# Altium PCB button_PVT_P5_201800706.PcbDoc (continued)
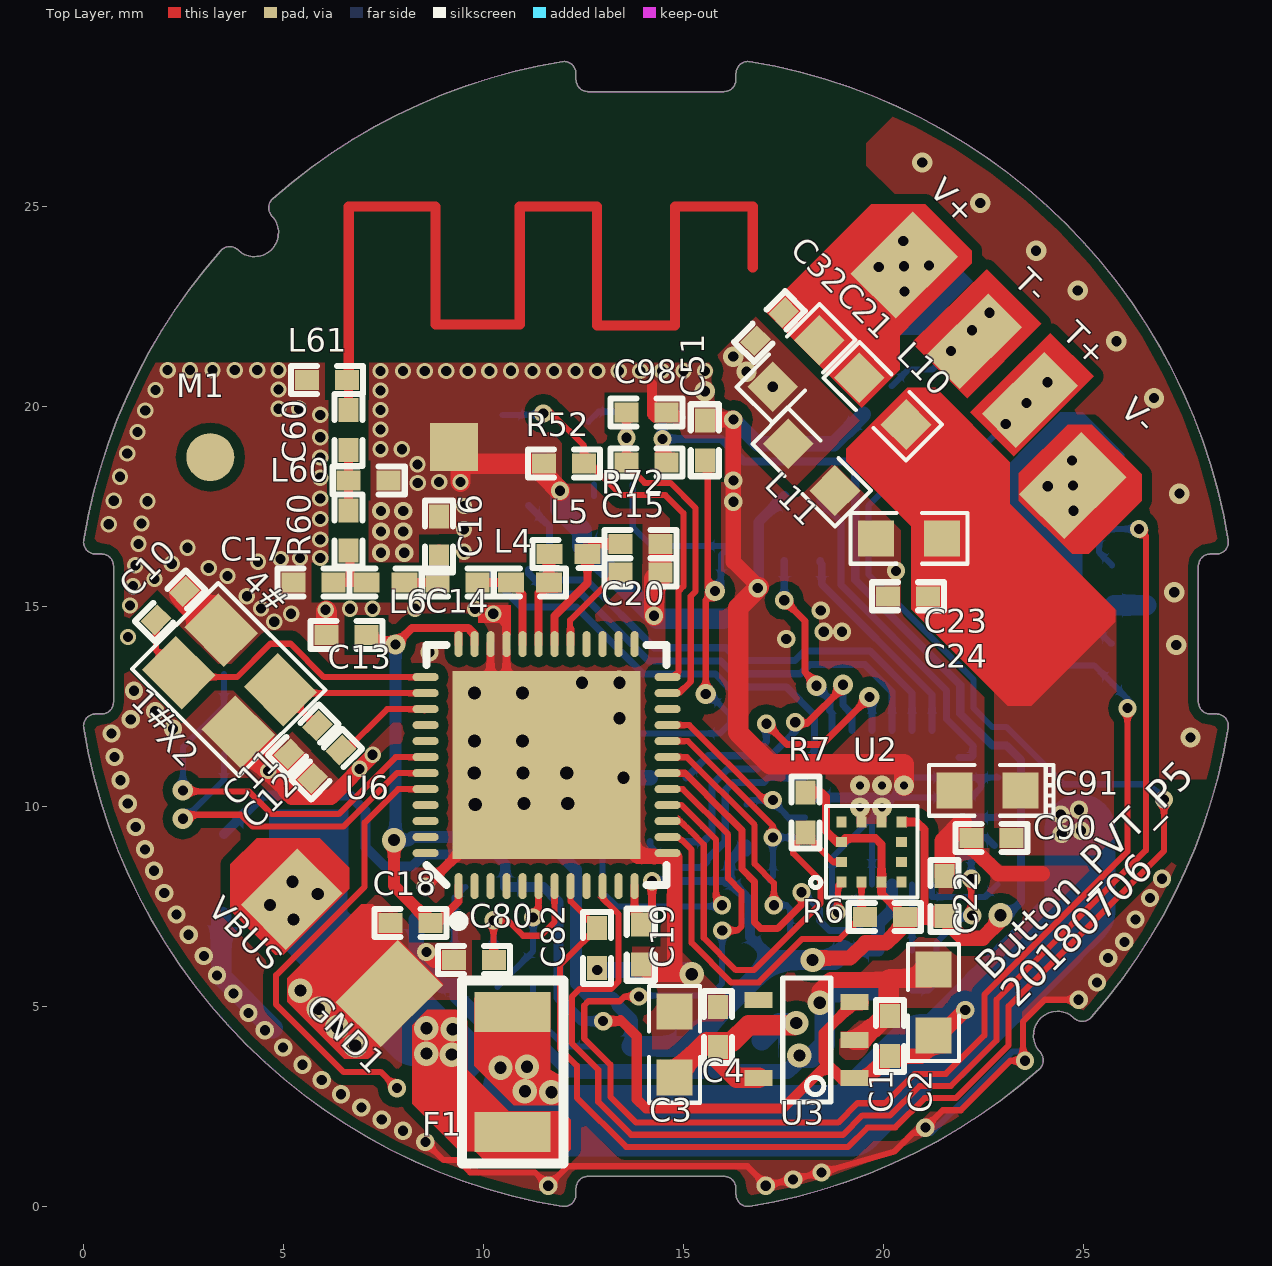
[diagram p0: Top Layer view]
## Part data
C1 C4 C22 C24 C32 C80: library part CAP, "厂家：Murata，型号：GRM155R71A104KA01D"
C2 C3 C21 C23 C90 C91: library part CAP, "厂家：Murata，型号：GRM188R61A106KE69D"
C10 C11: library part C0402-12p, "Capacitor, NP0, ±2%"
C12 C18 C19: library part C0402-100n, "Capacitor, X7R, ±10%"
C13: library part C0402-1n0, "Capacitor, X7R, ±10%"
C14 C60: library part C0402-3.9p, "Capacitor, NP0, ±0.1pF"
C15: library part C0402-2n2, "Capacitor, X7R, ±10%"
C16: library part C0402-1.0p, "Capacitor, NP0, ±0.1pF"
C17: library part C0402-1.5p, "Capacitor, NP0, ±0.1pF"
C20: library part C0402-47n, "Capacitor, X7R, ±10%"
C51 C52 C82 C98: library part CAP, "Capacitor"
C58: library part CAP, "1uF/10V/X7R/10%，0402"
C61 C95: library part CAP, "0.1uF/10V/X7R/10%，0402"
C88 C89: library part CAP, "0.22uF/10V/X7R/10%，0402"
D3 D4: library part ESD_1, "厂家：ROHM，型号：VMNZC6.8CST2RA"
D9: library part "Diode 1N4148", "High Conductance Fast Diode"
F1: library part FUSE2, "厂家：万瑞和，型号：smd1206-200"
L4 L60 L61: library part L0402-4n7, "High frequency chip inductor ±5%"
L5 L8 L10 L11: library part L0402-27n, "High frequency chip inductor ±5%"
L6: library part L0402-3n3, "High frequency chip inductor ±5%"
M1: library part PAD1, "None"
Q3: library part MOSFET, "N-Channel MOSFET"
R6 R7 R8 R16 R17 R30 R31 R32 R33 R52 R59 R60 R72 R73 R74 R75 R86 R87 R89 R91 R92: library part RES1, "厂家：Yageo，型号：RC0402FR-0720RL"
SW1: "厂家：松下，型号：EVQPLMA15"
U1: library part SN3199, "厂家：SI-EN，型号：IS31FL3199-QFLS2-TR"
U2: library part LIS2DE12, "厂家：ST，型号：LIS2DH12"
U3: library part AP3410
U6: library part nRF51x22-QFAC, "Multi-protocol Bluetooth Low Energy, ANT and 2.4GHz proprietary system-on-chip"
X2: library part NX2520SA-16MHZ-STD-CSW-5, "XTAL SMD 2520, 16MHz, 8pF, ±40ppm"

## Free pads (board coordinates)
  rect 1.2x1.2 smd: 2(9.268,18.996)

## Via types
v1: diameter 0.457, hole 0.254, Top Layer to Bottom Layer, tented both sides, 98 vias
v2: diameter 0.406, hole 0.254, Top Layer to Bottom Layer, tented both sides, 81 vias
v3: diameter 0.508, hole 0.254, Top Layer to Bottom Layer, tented both sides, 28 vias
v4: diameter 0.61, hole 0.305, Top Layer to Bottom Layer, tented both sides, 27 vias
v5: diameter 0.66, hole 0.33, Top Layer to Bottom Layer, 10 vias
v6: diameter 0.5, hole 0.2, Top Layer to Bottom Layer, tented both sides, 5 vias

## Nets (pads, with @x,y where several pads share a name; then routed paths per layer and width w, separated by ;. In a path a pad name is that pad's centre, name@x,y a point inside that pad or via, vN(x,y) a via of type N, cw(c..) or ccw(c..) an arc to the next point about the centre after c; other vN are vias at no path point)
+3V3: C3.1 C4.1 L8.2 U3.5 | length 6.2
  Top Layer w0.508: C3.1@14.783,3.315 15.591,4.123 16.222,4.123 16.644,4.544 17.778,4.544 v4(17.831,4.597) ; C4.1@15.9,4.115 15.9,3.666 16.34,3.226 U3.5
  Bottom Layer w0.508: L8.2@16.967,4.166 17.399,4.597 v4(17.831,4.597)
ADC_3V3: C52.2 R89.1 U6.6 | length 3
  Top Layer w0.152: v1(11.249,7.236) 11.386,7.373 U6.6
  Bottom Layer w0.152: C52.2@10.36,5.5 11.252,6.393 R89.1 11.252,7.232 v1(11.249,7.236) v1@11.249,7.159
ADC_5V: C80.1 R75.1 U6.7 | length 4.6
  Top Layer w0.152: C80.1@10.182,6.169 C80.1 10.262,6.183 v1(10.262,7.163) 10.617,7.163 11.001,6.779 11.438,6.779 11.786,7.127 U6.7
  Bottom Layer w0.152: v1(10.262,7.163) 10.262,6.462 R75.1
ADC_TEMP: C82.2 R92.2 U6.8 | length 39.6
  Top Layer w0.152: U6.8 12.186,7.637 C82.2 11.919,6.044 11.919,3.956 12.344,3.531 12.344,2.729 13.575,1.499 19.126,1.499 19.61,1.982 20.301,1.982 20.306,1.987 ; 20.307,1.987 21.038,2.718 21.819,2.718 23.139,4.039 23.139,5.015 27.023,8.898 v1(27.023,10.185)
  Bottom Layer w0.152: R92.2 19.632,17.523 19.632,15.81 22.256,13.186 22.256,12.474 22.735,11.995 23.089,11.995 24.517,10.566 26.642,10.566 v1(27.023,10.185)
AGND: C21.2 C32.2 D9.2 L11.1 Q3.2 R31.1 R32.2 | length 0.8
  Bottom Layer w0.508: R31.1@25.778,15.041 26.582,15.041
  other v3: 27.686,11.735 27.33,14.046 27.28,15.367 27.407,17.831 26.772,20.218 17.239,20.502 16.586,20.879 16.253,21.256 25.832,21.641 24.867,22.911 23.825,23.901 22.428,25.095 20.98,26.111
ANT: C60.2 L61.2 | length 28.5
  Top Layer w0.229: C60.2 L61.2@6.632,20.663
  Top Layer w0.254: L61.2@6.64,20.671 6.64,25.007 8.807,25.007 8.807,22.063 10.916,22.063 10.916,25.007 12.846,25.007 12.846,22.038 14.794,22.038 14.794,25.007 16.74,25.007 16.74,23.481
BLUE_1: D5.3 U1.15 | length 6.9
  Top Layer w0.178: v1(17.081,12.078) 17.598,11.561 18.47,11.561 v3(19.656,12.747)
  Bottom Layer w0.178: D5.3 15.627,11.278 16.729,11.278 17.081,11.63 v1(17.081,12.078) ; U1.15 v3@19.724,12.739
BLUE_2: D6.3 U1.17 | length 13.3
  Bottom Layer w0.178: D6.3 11.656,17.019 11.656,15.903 11.887,15.672 12.586,15.672 14.278,13.979 16.074,13.979 16.397,13.657 17.799,13.657 18.036,13.893 19.677,13.893 20.724,12.846 U1.17
BLUE_3: D7.3 U1.19 | length 8.4
  Bottom Layer w0.178: D7.3 18.43,17.638 18.948,17.12 18.948,16.056 18.944,16.052 18.944,15.553 21.588,12.909 21.588,12.194 22.25,11.532 22.25,11.278 22.207,11.234 U1.19
DEBUG_RX: RX.1 U6.43 | length 8.6
  Top Layer w0.152: v3@2.697,9.803 3.942,9.803 4.231,9.514 6.514,9.514 7.844,10.845 U6.43
  Bottom Layer w0.152: v3(2.494,9.702) 2.522,9.674 3.522,10.674 RX.1
DEBUG_TX: TX.1 U6.42 | length 10.2
  Top Layer w0.152: v3@2.545,10.388 4.145,10.388 4.714,9.819 5.628,9.819 5.629,9.821 6.071,9.821 6.073,9.819 6.074,9.821 6.389,9.821 7.813,11.245 U6.42
  Bottom Layer w0.152: v3(2.494,10.413) 2.494,11.486 3.522,12.514 TX.1
G_SCL: R7.2 U2.12 U6.15 | length 10.8
  Top Layer w0.152: U6.15 14.932,9.645 15.187,9.389 ; 15.187,9.388 15.516,9.059 15.516,6.723 16.321,5.919 16.769,5.919 18.437,7.587 18.437,8.15 17.751,8.836 17.751,9.001 R7.2@18.06,9.31 ; R7.2 R7.2@18.06,9.31 ; U2.12 18.747,8.623 R7.2@18.06,9.31
G_SDA: R6.2 U2.2 U6.14 | length 9.3
  Top Layer w0.152: U6.14 14.629,9.227 14.883,9.227 14.89,9.234 14.95,9.173 14.972,9.173 15.211,8.934 15.211,6.598 16.195,5.614 16.892,5.614 17.979,6.702 18.919,6.702 19.461,7.244 U2.2
GND: C1.2 C2.2 C3.2 C4.2 C10.2 C11.2 C12.1 C13.2 C15.2 C16.2 C17.2 C18.2 C19.2 C20.2 C22.2 C23.2 C24.2 C51.1 C52.1 C58.2 C80.2 C82.1 C89.1 C90.2 C91.2 C95.2 C98.1 D3.2 D4.2 D5.4 D6.4 D7.4 GND0.1 GND1.1 GND.1 L11.2 L60.1 L61.1 pad.2 R52.2 R59.1 R74.1 R87.1 SW1. SW1.3 SW1.4 U1.4 U1.6 U1.10 U1.20 U1.21 U1.25 U2.1 U2.8 U2.9 U3.2 U6.13 U6.33 U6.34 U6.49 X2.2 X2.4 | length 131
  Top Layer w0.152: v1(8.556,1.622) 9.01,1.168 9.366,1.168 9.674,0.86 11.3,0.86 v1(11.63,0.53) 12.114,1.015 16.606,1.015 v1@17.065,0.555 ; v1(17.065,0.53) 17.749,0.692 v1(18.462,0.86) 20.284,1.381 20.754,1.851 v1@21.028,1.851 ; v2(18.869,7.363) 18.869,8.031 U2.1 ; v1(21.057,1.981) 21.491,2.416 21.944,2.416 ; 22.159,2.631 21.944,2.416 ; v1(23.546,3.654) 23.182,3.654 21.944,2.416 ; v1@23.546,3.68 23.495,3.73 23.495,4.629 24.045,5.178 v1(24.889,5.178)
  Top Layer w0.203: U6.49@10.185,12.508 U6.34 ; U6.49@10.585,12.108 U6.33@10.585,13.894 ; U6.49@11.554,11.077 U6.49 13.786,8.845 U6.13
  Top Layer w0.254: v1(8.56,8.001) 11.586,11.027 U6.49 ; U6.49@10.792,10.315 U6.49@11.554,11.077 ; 14.224,20.574 14.224,19.806 14.294,19.736 14.935,19.736
  Top Layer w0.381: 5.033,10.714 5.033,10.423 5.218,10.238 5.454,10.238 5.456,10.24 6.197,10.24 v2@7.25,11.292 ; v1(8.582,6.372) 8.785,6.169 C80.2 ; U6.49@13.786,8.845 13.87,8.76 14.771,8.76 14.792,8.739 14.792,5.877 ; C19.2 13.95,6.054 14.187,5.817 v4(15.215,5.817) ; C51.1 15.557,19.682 v1(16.256,19.682) 16.256,16.129 v1@16.891,15.494 ; C90.2 22.208,8.948 22.262,8.948 22.878,8.331 23.978,8.331
  Top Layer w0.4: v4(18.415,5.105) 18.415,5.4 18.693,5.678 19.787,5.678 19.789,5.676 20.142,5.676 21.157,5.676 21.227,5.745 20.168,5.745
  Top Layer w0.508: C11.2 5.152,11.298 C12.1 ; C13.2 v2@6.082,14.911 ; 7.066,6.247 7.69,6.871 C18.2 ; v2(9.434,18.125) 9.434,18.582 R52.2 11.525,18.3 v1(11.922,17.904) ; v1(14.271,14.779) 14.271,15.706 C20.2 14.43,16.564 C15.2 ; v1@16.891,15.494 v1(16.866,15.469) 16.38,14.983 16.38,11.858 17.172,11.066 20.521,11.066 v6(20.521,10.531) ; U3.2 19.486,4.176 19.486,4.235 19.724,4.473 19.763,4.473 20.047,4.758 20.047,4.767 20.142,4.767 20.142,5.676 ; C22.2@21.54,8.276 21.54,9.144 21.98,9.585
  Top Layer w0.762: C10.2 2.531,15.336 X2.4 ; X2.2@3.76,11.871 X2.2 5.033,10.714 5.152,10.714
  Bottom Layer w0.152: v2(18.869,7.363) 18.728,7.503 18.728,8.055 U1.6 18.724,8.734 U1.25@19.724,9.734 ; U1.4 U1.25@19.724,9.734 ; v1@21.028,1.851 21.202,1.851 23.234,3.883 23.39,3.883 ; U1.21@21.899,10.287 U1.21 ; C89.1@22.831,10.758 C89.1@22.807,10.734 ; C89.1@22.883,10.734 C89.1@22.807,10.734 ; U1.25@19.724,9.734 v6(19.974,9.984) 20.155,10.165 U1.25@20.224,10.234 ; U1.25@20.224,10.234 20.724,10.734 22.45,10.734 ; U1.25@20.224,10.234 U1.21 ; U1.21 22.198,10.234 22.45,10.487 22.45,10.734 ; 22.45,10.734 C89.1@22.807,10.734
  Bottom Layer w0.254: 16.002,14.703 16.1,14.703 v1(16.866,15.469) 16.891,15.494 16.891,17.125 D7.4 ; U1.10 20.087,10.234 U1.25@20.155,10.165
  Bottom Layer w0.3: R87.1 10.241,4.237 10.372,4.106 10.378,4.112 11.407,4.112 12.133,3.386 12.427,3.386
  Bottom Layer w0.381: R74.1@8.328,7.185 8.328,6.156 8.95,5.534 9.377,5.534 C52.1@9.377,5.329 ; C52.1 9.352,5.255 9.937,4.67 R87.1 ; 12.427,3.386 17.61,3.386 17.954,3.73 v4@18.009,3.785 ; v4(13.513,10.728) D5.4 ; v1(16.256,19.682) 16.857,19.08 18.775,19.08 R59.1
  Bottom Layer w0.4: v1(12.852,5.918) 15.113,5.918 v4(15.215,5.817)
  Bottom Layer w0.508: GND.1@3.451,7.251 3.451,5.762 v1@4.746,4.467 ; v1(11.922,17.904) 11.922,17.453 12.472,16.903 SW1.4 12.529,16.522 v1(14.271,14.779) 14.348,14.703 16.002,14.703 ; v4@17.891,3.73 17.954,3.73 18.208,3.73 18.542,4.064 18.542,5.364 C95.2 ; C95.2@19.021,5.415 C58.2
  other v1: 17.751,0.682 7.998,1.902 7.464,2.181 6.956,2.486 6.448,2.816 5.966,3.172 5.483,3.553 5,3.984 4.543,4.416 4.137,4.848 3.756,5.331 25.346,5.61 3.349,5.788 25.625,6.22 3.019,6.27 26.032,6.626 2.638,6.804 26.311,7.185 2.333,7.312 26.67,7.722 2.029,7.845 26.975,8.204 1.775,8.404 1.546,8.937 1.317,9.496 1.114,10.08 0.936,10.665 0.784,11.249 0.708,11.833 2.246,11.953 1.19,12.189 1.8,12.392 1.27,12.903 8.658,13.865 17.577,14.199 18.517,14.376 18.974,14.376 18.44,14.91 20.32,15.9 7.445,16.353 8.029,16.353 7.445,16.886 8.004,16.886 7.445,17.394 8.004,17.394 16.256,17.628 16.256,18.161
  other v2: 4.628,10.896 6.909,10.951 7.239,11.303 1.122,14.248 4.78,14.629 5.2,14.827 10.255,14.827 6.064,14.928 4.45,14.96 6.674,14.954 7.232,14.954 8.299,14.954 9.798,14.954 1.173,15.036 4.094,15.264 1.249,15.518 1.783,15.696 3.612,15.772 3.143,15.97 1.306,16.042 2.215,16.077 4.374,16.128 4.938,16.194 5.421,16.22 5.929,16.22 9.522,16.38 2.61,16.478 1.382,16.575 5.929,16.683 9.522,16.938 0.64,17.068 1.459,17.083 5.929,17.195 9.522,17.523 0.767,17.652 1.611,17.642 5.929,17.707 8.367,18.099 8.901,18.125 5.929,18.226 0.925,18.252 8.36,18.563 5.929,18.734 1.103,18.836 7.436,18.944 7.969,18.941 5.929,19.242 1.357,19.369 7.436,19.432 5.929,19.801 1.554,19.913 7.436,19.921 4.888,19.954 5.396,19.954 1.808,20.421 7.436,20.409 4.888,20.436 7.436,20.897 8,20.897 8.539,20.897 9.078,20.897 9.617,20.897 10.156,20.897 10.698,20.903 11.234,20.897 11.773,20.897 12.312,20.897 12.851,20.897 13.391,20.897 13.93,20.897 14.469,20.897 15.008,20.897 15.547,20.897 2.113,20.919 2.673,20.919 3.233,20.919 3.793,20.919 4.353,20.919 4.888,20.919
  other v3: 15.541,20.393
  other v4: 17.907,3.785 6.804,4.035 6.347,4.492 5.889,4.95 5.432,5.407 13.408,12.214 12.472,13.103 13.408,13.103
  other v5: 9.804,10.058 11.024,10.084 12.116,10.084 9.779,10.846 10.998,10.846 12.09,10.846 9.786,11.645 10.986,11.645 9.786,12.845 10.986,12.845
  other v6: 19.424,9.984 19.428,10.538 19.974,10.534
GREEN_1: D5.1 U1.14 | length 7.7
  Top Layer w0.178: v1@17.805,12.09 18.099,12.09 18.996,12.987 v3(18.996,13.052)
  Bottom Layer w0.178: D5.1 15.503,9.128 15.723,9.348 15.723,10.552 16.114,10.944 16.862,10.944 17.805,11.887 v1(17.805,12.116) ; v3(18.996,13.052) 18.996,12.544 19.224,12.316 U1.14
GREEN_2: D6.1 U1.16 | length 11.6
  Bottom Layer w0.178: D6.1 11.14,15.835 11.65,15.325 11.786,15.325 12.465,15.325 14.141,13.649 15.941,13.649 16.261,13.329 17.938,13.329 18.172,13.564 19.54,13.564 20.224,12.879 U1.16
GREEN_3: D7.1 U1.18 | length 5.4
  Bottom Layer w0.178: D7.1 18.43,16.111 18.466,16.075 18.466,15.568 21.224,12.809 U1.18
KEY_DET: C51.2 SW1.1 SW1.2 U6.16 | length 25
  Top Layer w0.152: U6.16 14.963,10.045 15.492,9.516 15.492,9.514 15.821,9.185 15.821,7.693 v1(15.973,7.54) ; C51.2 15.617,18.59 15.617,15.577 v3(15.795,15.398) 15.567,15.17 v3(15.567,12.824)
  Bottom Layer w0.152: 13.741,18.059 13.741,16.993 14.212,16.522 SW1.1 15.948,16.298 v3@15.948,15.398 ; v3(15.567,12.824) 15.65,12.824 16.172,12.301 SW1.2 ; v1@15.944,7.511 13.342,7.511 12.982,7.871 12.982,10.951 13.867,11.836 15.926,11.836 SW1.2@16.151,12.062
LED_EN: U1.5 U6.18 | length 9.5
  Top Layer w0.178: U6.18 15.044,10.845 16.113,9.775 ; 16.117,9.772 16.116,9.772 16.469,9.418 16.469,8.446 16.786,8.129 16.786,7.115 16.942,6.96 17.364,6.96 17.969,7.564 v1@17.969,7.875
  Bottom Layer w0.178: v1@17.969,7.875 18.411,7.433 18.411,7.16 18.661,6.91 19.226,6.91 19.231,6.905 19.3,6.905 19.428,7.032 19.428,7.465 19.358,7.534 19.358,7.559 U1.5@19.224,7.693
  other v1: 17.959,7.866
LED_SCL: R17.2 U1.9 U6.21 | length 5.1
  Top Layer w0.152: U6.21 15.154,12.045 17.026,10.173 v1(17.243,10.173)
  Bottom Layer w0.152: R17.2 16.7,10.173 v1(17.243,10.173) 17.243,10.131 17.64,9.734 U1.9
LED_SDA: R16.2 U1.8 U6.20 | length 5.7
  Top Layer w0.152: U6.20 15.123,11.645 17.243,9.525 v1(17.243,9.234)
  Bottom Layer w0.152: R16.2 17.243,8.26 v1(17.243,9.234) U1.8
LOADA_DET: R30.1 R31.2 U6.10 | length 34.5
  Top Layer w0.152: U6.10 12.986,7.715 13.386,7.315 13.386,5.638 13.194,5.445 12.405,5.445 12.223,5.264 12.223,4.082 12.877,3.428 12.877,2.626 13.701,1.803 19,1.803 19.484,2.286 20.175,2.286 20.911,3.022 21.693,3.022 22.835,4.165 22.835,5.181 26.568,8.914 26.568,16.773 v1(26.395,16.946)
  Bottom Layer w0.152: R31.2 25.397,16.372 R30.1 v1(26.395,16.946)
NetC10_1: C10.1 U6.37 X2.1 | length 8.2
  Top Layer w0.152: C10.1 1.824,13.922 X2.1 ; X2.1@2.582,13.244 3.847,13.244 4.682,14.079 5.186,14.079 6.021,13.244 U6.37@8.56,13.244
NetC11_1: C11.1 U6.38 X2.3 | length 4.8
  Top Layer w0.152: X2.3 X2.3@5.023,12.844 ; C11.1 5.837,12.031 X2.3@5.023,12.844 ; C11.1@5.886,11.982 C11.1@5.894,11.982 ; U6.38@8.56,12.844 X2.3@5.023,12.844
NetC12_2: C12.2 U6.39 | length 2.6
  Top Layer w0.152: C12.2@6.503,11.347 7.601,12.444 8.56,12.444 U6.39@8.532,12.416
NetC14_1: C14.1 L4.2 U6.32 | length 2.5
  Top Layer w0.203: L4.2 10.985,15.316 U6.32
  Top Layer w0.229: C14.1@9.841,15.607 C14.1 L4.2
NetC14_2: C14.2 C16.1 L6.1 | length 1.7
  Top Layer w0.229: L6.1 C14.2 8.895,15.607 C16.1 C16.1@8.895,16.442
NetC15_1: C15.1 L5.1 U6.30 | length 3.5
  Top Layer w0.203: U6.30 11.785,14.77 12.61,15.594 L5.1 12.864,16.572 C15.1
NetC17_1: C17.1 L6.2 R60.1 | length 1.7
  Top Layer w0.229: C17.1 6.673,15.607 ; R60.1 6.673,16.371 6.673,15.607 ; L6.2 6.673,15.607
NetC20_1: C20.1 U6.29 | length 2.9
  Top Layer w0.152: U6.29@12.176,14.06 12.176,14.665 13.245,15.734 C20.1@13.478,15.734
  Top Layer w0.203: U6.29 12.185,14.442 ; C20.1@13.478,15.734 C20.1@13.616,15.734
NetC60_1: C60.1 L60.2 R60.2 | length 1.5
  Top Layer w0.229: R60.2 C60.1
NetC61_1: C61.1 U1.1 | length 2.1
  Bottom Layer w0.152: U1.1 21.224,7.744 22.544,7.744 C61.1
NetC61_2: C61.2 U1.23 | length 1
  Bottom Layer w0.178: U1.23 22.577,9.234 C61.2@22.781,9.031
NetC88_1: C88.1 U1.2 | length 1.6
  Bottom Layer w0.152: C88.1 U1.2
NetC88_2: C88.2 U1.24 | length 4.6
  Top Layer w0.152: v1@22.204,7.286 v1(22.204,8.201)
  Bottom Layer w0.152: C88.2 21.137,5.415 21.333,5.61 21.333,6.601 22.018,7.286 v1(22.23,7.286) ; U1.24 22.171,8.734 22.204,8.701 v1(22.204,8.201)
NetC89_2: C89.2 U1.22 | length 1
  Bottom Layer w0.178: U1.22 C89.2@22.807,9.734 ; C89.2@22.831,9.758 C89.2@22.807,9.734 ; C89.2@22.883,9.734 C89.2@22.807,9.734
NetL4_1: L4.1 L5.2 U6.31 | length 2.4
  Top Layer w0.203: U6.31 11.385,15.348 L4.1 11.644,16.303 L5.2
NetQ3_1: Q3.1 R33.1 | length 1.6
  Bottom Layer w0.152: Q3.1 25.124,14.652 25.691,14.086 R33.1
NetQ3_3: Q3.3 R30.2 V-.1
  other v1: 24.762,17.404 24.116,18.015 24.744,18.033 24.727,18.662
NetR8_2: R8.2 U6.19 | length 6.1
  Top Layer w0.152: U6.19 15.092,11.245 16.786,9.551 16.786,8.577 17.269,8.095 v1(17.269,7.54)
  Bottom Layer w0.152: v1(17.269,7.54) 17.58,7.54 17.67,7.45 R8.2
NetR59_2: R59.2 T-.1 | length 3.8
  Top Layer w0.152: T-.1@21.813,21.51 v3(22.221,21.918)
  Bottom Layer w0.152: R59.2 20.625,20.93 21.233,20.93 v3(21.698,21.395) v3(22.221,21.918) v3(22.657,22.354)
NetR73_1: R73.1 R74.2 R75.2 | length 1.8
  Bottom Layer w0.152: R75.2@9.285,6.347 R74.2 9.285,7.728 R73.1
NetR86_1: R86.1 R87.2 R89.2 | length 2.6
  Bottom Layer w0.152: R89.2 11.252,4.682 R87.2 11.384,4.67 12.041,4.013 R86.1
NetTP4_1: TP4.1 U6.44 | length 11.2
  Top Layer w0.152: v1(7.845,2.968) 7.439,3.375 6.506,3.375 4.826,5.055 4.826,5.791 7.036,8.001 7.036,9.605 7.875,10.445 U6.44
NTC_A: D3.1 R91.2 R92.1 T+.1 | length 6
  Top Layer w0.152: T+.1@23.183,19.686 T+.1 T+.1@23.995,20.499
  Bottom Layer w0.152: R91.2 20.851,19.912 R92.1 21.717,19.046 21.717,18.798 D3.1 ; D3.1@22.005,18.51 v3(23.065,19.57) v3(23.588,20.093) v3(24.111,20.616)
PWM: R32.1 R33.2 U6.17 | length 35.2
  Top Layer w0.152: v1(13.894,5.258) 13.531,5.258 13.414,5.141 12.634,5.141 12.528,5.035 12.528,4.208 13.182,3.554 13.182,2.752 13.827,2.107 18.874,2.107 19.357,2.591 20.049,2.591 20.785,3.327 21.566,3.327 22.531,4.291 22.531,5.307 26.108,8.884 v1(26.108,12.468) ; U6.17 14.994,10.445 16.126,9.313 16.126,8.212 16.456,7.882 16.456,7.007 16.358,6.909 v1(15.977,6.909)
  Bottom Layer w0.152: v1@13.894,5.283 15.676,5.283 15.977,5.584 v1(15.977,6.909) ; R32.1 25.274,13.538 R33.2 26.108,12.705 v1(26.108,12.468) 26.133,12.443 v1@26.184,12.443
PWR_ON: U6.22
RED_1: D5.2 U1.11 | length 5.9
  Bottom Layer w0.178: D5.2 14.177,9.012 14.702,8.487 15.402,8.487 15.452,8.487 15.593,8.628 15.593,8.678 16.053,9.138 16.053,10.416 16.251,10.614 17.018,10.614 17.139,10.734 U1.11
RED_2: D6.2 U1.12 | length 11
  Bottom Layer w0.178: D6.2 10.24,15.71 10.955,14.995 12.329,14.995 14.005,13.319 15.808,13.319 16.126,13.001 17.581,13.001 18.285,12.298 18.285,11.249 18.27,11.234 U1.12
RED_3: D7.2 U1.13 | length 4.8
  Top Layer w0.178: v1(17.53,15.164) 18.044,14.65 18.044,13.369 v3@18.361,13.052
  Bottom Layer w0.178: v1(17.53,15.164) D7.2 ; v3@18.335,13.052 v3(18.335,13.027) 18.501,12.861 18.501,12.847 18.666,12.682 18.666,12.408 18.724,12.349 U1.13
SWCLK: R52.1 SWCLK.1 U6.24 | length 10.2
  Top Layer w0.152: v1(11.503,19.834) 11.717,19.834 12.525,19.026 R52.1 12.664,18.582 13.451,17.795 14.558,17.795 15.008,17.345 15.008,15.516 14.886,15.394 14.886,13.367 14.763,13.245 U6.24
  Bottom Layer w0.152: SWCLK.1@10.482,19.801 11.47,19.801 v1(11.503,19.834)
SWDIO: C98.2 R72.1 SWDIO.1 U6.23 | length 10.3
  Top Layer w0.152: C98.2@13.426,19.877 13.582,19.721 v1(13.582,19.228) R72.1 ; R72.1@13.518,18.672 R72.1 ; U6.23 14.901,12.845 15.16,13.105 15.19,13.135 15.19,15.267 15.312,15.389 15.312,17.471 14.684,18.099 14.035,18.099 13.582,18.552 R72.1
  Bottom Layer w0.152: SWDIO.1@12.635,19.623 12.889,19.877 13.39,19.877 13.582,19.685 v1(13.582,19.228)
VBUS: +5V.1 C1.1 C2.1 C23.1 C24.1 C90.1 C91.1 F1.1 L10.2 R73.2 U3.1 U3.3 | length 49.4
  Top Layer w0.152: F1.1@10.316,4.799 11.122,4.799 F1.1@11.249,4.926
  Top Layer w0.254: v1(13,4.644) 13.407,4.644 13.437,4.674 13.843,4.267 13.843,2.692 14.073,2.463 17.499,2.463 18.605,3.569 ; U3.1@19.291,3.2 18.974,3.2 18.605,3.569 ; U3.3@19.291,5.1 19.151,5.1 19.151,4.981 18.517,4.346 18.517,3.658 18.605,3.569 ; v1@24.855,9.888 v1(24.898,9.93) v1@24.971,10.004
  Top Layer w0.381: U3.1 19.601,3.226 20.142,3.767 C1.1 20.95,3.767 C2.1@21.311,4.127 ; U3.3@19.291,5.1 U3.3@19.451,5.1 ; C2.1@21.158,4.28 C2.1@21.285,4.153 ; C2.1@21.26,4.127 C2.1@21.285,4.153 ; C2.1@21.458,4.127 C2.1@21.311,4.127 ; v1(22.052,4.92) C2.1@21.285,4.153 ; C2.1@21.285,4.153 C2.1@21.311,4.127
  Bottom Layer w0.254: +5V.1 4.487,10.287 6.668,10.287 7.049,9.906 7.061,9.906 7.061,8.992 7.544,8.509 8.225,8.509 8.527,8.811 10.315,8.811 10.555,8.571 R73.2 11.51,7.998 11.888,7.62 11.888,5.232 12.476,4.644 v1(13,4.644) ; v1@24.83,9.862 v1(24.898,9.93)
  Bottom Layer w1.778: v4@10.871,2.921 11.638,2.154 19.198,2.154 20.98,3.937 21.466,3.937 22.784,5.255 ; 22.758,5.255 22.784,5.255 ; v1@24.923,9.431 24.923,7.394 24.282,6.753 24.282,6.732 23.494,5.944 23.473,5.944 22.784,5.255
  other v1: 24.466,9.326 24.949,9.403 24.441,9.809
  other v4: 11.706,2.867 11.046,2.892 10.436,3.476 11.096,3.502
VBUS_IN: D4.1 F1.2 VBUS.1 | length 6.3
  Bottom Layer w0.762: 5.788,8.567 D4.1@5.788,9.267
  Bottom Layer w1.778: D4.1@5.715,8.941 5.715,7.027 v4@8.34,4.403
  other v4: 9.217,3.807 8.582,3.832 9.242,4.442 8.582,4.467 5.258,7.188 4.674,7.544 5.867,7.823 5.232,8.128
VCC_MCU: C13.1 C18.1 C19.1 C22.1 C58.1 C95.1 L8.1 R6.1 R7.1 R8.1 R16.1 R17.1 R72.2 R86.2 R91.1 U1.3 U2.3 U2.7 U2.11 U6.1 U6.12 U6.35 U6.36 VCC.1 | length 75.2
  Top Layer w0.203: C13.1 7.215,14.162 7.707,14.162 v3(7.809,14.061) 8.221,14.473 9.63,14.473 9.785,14.318 U6.35 ; C18.1@8.778,7.025 9.386,7.633 U6.1 ; U6.36 9.385,14.464 ; U6.12 13.786,7.315 13.941,7.159 C19.1 ; C19.1@13.912,7.083 C19.1 ; v1(14.221,8.144) 14.221,7.333 C19.1 ; R7.1 18.462,10.36 18.568,10.254 18.568,9.394 18.839,9.123 U2.11 19.055,9.217 19.809,9.217 19.961,9.064 U2.3 19.961,7.836 20.521,7.276 R6.1@20.545,7.251 ; U2.7 20.841,9.623 21.032,9.432 21.032,7.367 R6.1@20.632,7.272 ; R6.1@20.545,7.251 20.636,7.276 R6.1@20.632,7.272 ; R6.1@20.545,7.251 R6.1@20.632,7.272 ; R6.1@20.545,7.251 20.553,7.244 20.578,7.218 20.604,7.244 R6.1@20.632,7.272
  Top Layer w0.305: v4(7.772,9.169) 7.671,9.169 7.772,9.068 7.772,8.03 C18.1@8.778,7.025 ; v1(14.482,19.199) 14.482,18.708 R72.2
  Top Layer w0.381: v4(18.237,6.171) 18.287,6.22 19.174,6.22 19.555,6.601 20.074,6.601 20.545,7.071 R6.1@20.545,7.244 ; R6.1@20.497,7.276 20.521,7.276 R6.1@20.545,7.276 ; R6.1 R6.1@20.545,7.244 ; R6.1@20.636,7.276 R6.1@20.545,7.276 ; v4(22.936,7.29) 22.936,7.163 22.489,6.715 21.993,6.715 21.536,7.173 C22.1 21.504,7.244 20.604,7.244 20.553,7.244 R6.1@20.545,7.244 ; R6.1@20.545,7.244 20.545,7.251 R6.1@20.545,7.276
  Bottom Layer w0.203: v1(14.221,8.144) 16.094,8.144 16.129,8.179 16.159,8.209 R16.1@16.176,8.226 ; v1(14.482,19.199) 15.955,19.199 16.517,18.636 19.551,18.636 R91.1 ; VCC.1 14.482,19.179 v1@14.525,19.136 ; 19.304,18.611 19.304,15.675 21.929,13.05 21.929,12.338 22.735,11.532 23.089,11.532 23.444,11.176 23.444,7.62 v4@23.177,7.353
  Bottom Layer w0.254: L8.1@15.265,4.191 L8.1 ; R16.1@16.069,8.118 R16.1@16.094,8.144 ; R16.1@16.129,8.179 16.67,7.637 R8.1 16.67,6.746 17.245,6.171 ; R16.1 16.159,8.209 R16.1@16.159,8.244 ; R16.1@16.184,8.226 16.176,8.226 R16.1@16.159,8.244 ; R17.1@16.583,8.887 R17.1 16.159,8.631 R16.1@16.159,8.244
  Bottom Layer w0.305: v3(7.809,14.061) 7.809,9.206 v4(7.772,9.169) 8.153,9.169 8.229,9.245 11.507,9.245 12.319,8.433 12.319,5.588 12.675,5.232 13.225,5.232 13.361,5.097 13.361,5.037 13.708,4.69 R86.2
  Bottom Layer w0.308: C95.1@19.021,6.415 19.853,6.415 19.869,6.431 C58.1 19.885,7.083 20.224,7.423 U1.3
  Bottom Layer w0.508: R86.2 15.088,4.013 15.265,4.191 17.245,6.171 v4(18.237,6.171) 18.777,6.171 C95.1@19.021,6.415
VLOAD: C21.1 C32.1 D9.1 L10.1 V+.1
  other v1: 20.538,22.888 19.891,23.499 20.52,23.517 21.148,23.535 20.502,24.146
pads on no net: M1.4 M1.5 U1.7 U2.4 U2.5 U2.6 U2.10 U3.4 U6.2 U6.3 U6.4 U6.5 U6.9 U6.11 U6.25 U6.26 U6.27 U6.28 U6.40 U6.41 U6.45 U6.46 U6.47 U6.48
copper on no net: | length 0.3
  Bottom Layer w0.152: 12.773,17.777 12.773,18.056

## Polygon pours and split planes (outlines as drawn)
VBUS on Top Layer "Bottom Layer-No Net" (solid, remove dead copper, pour order 8): 22.784,14.91 25.828,14.91 25.828,12.036 25.828,9.268 25.524,8.963 25.346,8.785 24.076,8.785 22.784,8.785
AGND on Top Layer "Bottom Layer-No Net" (solid, remove dead copper, pour order 0): 15.176,20.612 17.792,17.997 19.43,19.635 16.815,22.25
AGND on Top Layer "Bottom Layer-No Net" (solid, remove dead copper, pour order 20): 26.583,10.69 28.956,10.69 29.13,12.824 29.13,14.297 29.13,22.399 23.822,27.708 20.698,27.708 19.58,26.59 19.58,26.032 22.298,23.314 23.923,21.688 23.923,18.335 26.235,16.024 26.235,12.824
GND on Top Layer "Bottom Layer-No Net" (solid, remove dead copper, pour order 26): 15.646,21.107 0.305,21.107 -0.914,19.888 -0.914,6.35 5.664,-0.229 23.343,-0.229 29.007,5.436 29.718,6.147 29.718,22.733 25.629,26.822 21.387,26.822
AGND on Bottom Layer "Bottom Layer-No Net" (solid, remove dead copper, pour order 6): 26.583,10.69 28.956,10.69 29.13,12.824 29.13,14.297 29.13,22.399 23.822,27.708 20.698,27.708 19.58,26.59 19.58,26.032 22.298,23.314 23.923,21.688 23.923,18.335 26.235,16.024 26.235,12.824
AGND on Bottom Layer "Bottom Layer-No Net" (solid, remove dead copper, pour order 4): 17.418,19.406 15.986,20.837 15.986,21.421 18.132,23.568 18.132,25.143 19.58,26.59 21.587,26.59 22.247,25.93 22.45,25.727 22.45,25.168 21.587,24.304 21.434,24.304 19.047,21.917 19.047,21.307 19.047,20.507 17.945,19.406
AGND on Bottom Layer "Bottom Layer-No Net" (solid, remove dead copper, pour order 2): 23.514,15.443 21.996,15.443 21.819,15.265 21.819,12.338 23.212,10.944 23.466,10.69 27.276,10.69 27.276,12.9 24.228,12.9 24,13.128 24,13.687 24,14.957
GND on Bottom Layer "Bottom Layer-No Net" (solid, remove dead copper, pour order 24): 15.646,21.107 0.305,21.107 -0.914,19.888 -0.914,6.35 5.664,-0.229 23.343,-0.229 29.007,5.436 29.718,6.147 29.718,22.733 25.629,26.822 21.387,26.822

## Keep-outs
Keep-Out Layer:
  the board outline again, w0.013

## Other copper
Top Layer:
  region net VLOAD: 17.043,22.403 19.037,20.409 22.222,23.593 22.222,23.898 21.053,25.066 19.707,25.066
  region net GND: 6.956,7.566 5.105,5.715 5.105,5.131 6.531,3.705 7.134,3.705 9.001,5.572 7.667,6.905 7.667,7.134 7.236,7.566
  region net GND: 9.877,15.039 10.687,15.039 10.687,14.293 10.661,14.268 10.636,14.293 10.484,14.293 10.484,14.522 10.407,14.598 9.877,14.598
  region net VBUS: 9.903,5.356 11.681,5.356 11.681,3.434 12.116,3.178 12.116,2.692 11.963,2.54 10.77,2.54 9.779,3.531 9.779,5.232
  region net VBUS_IN: 11.982,2.388 12.189,2.181 12.189,1.444 11.884,1.14 10.055,1.14 9.798,1.397 9.417,1.397 8.23,2.584 8.23,4.547 8.607,4.924 9.325,4.924 9.601,4.648 9.601,3.422 10.636,2.388
  region net VBUS: 19.075,18.644 20.701,17.018 20.701,14.935 23.114,12.522 23.698,12.522 25.806,14.63 25.806,14.935 23.161,17.58 23.161,18.622 21.311,20.472 20.599,20.472 19.075,18.948
  region net VLOAD: 19.469,19.977 20.422,20.93 20.422,22.2 19.507,23.114 17.755,23.114 17.043,22.403
  region net NetQ3_3: 23.393,18.339 24.613,19.558 25.222,19.558 26.467,18.313 26.467,17.653 25.136,16.322 24.724,16.322 23.393,17.653
  region net NTC_A: 22.174,19.863 23.266,18.771 25.26,20.765 24.182,21.843
  region net NetR59_2: 20.72,21.6 22.1,20.22 23.954,22.075 22.6,23.429 22.574,23.429
  region net VBUS_IN: 4.801,6.299 3.683,7.417 3.683,8.56 4.343,9.22 5.918,9.22 6.655,8.484 6.655,7.95 5.004,6.299
Bottom Layer:
  rectangle net VBUS_IN: 4.648,7.976 6.629,9.931
  rectangle net NetQ3_3: 22.301,15.748 24.99,17.751
  region net VBUS_IN: 4.648,8.255 4.394,8.001 4.242,7.849 4.242,7.391 5.182,6.325 6.528,7.671 6.528,8.687 6.248,8.966 4.877,8.966 4.648,8.738
  region net VBUS_IN: 7.931,3.982 8.865,3.048 9.576,3.048 9.906,3.378 9.906,4.216 9.198,4.924 8.966,4.924
  region net VLOAD: 19.555,20.926 18.666,21.815 18.666,21.968 19.631,22.933 19.631,23.72 20.418,24.508 20.875,24.508 22.247,23.136 20.914,21.803 20.431,21.803 19.631,21.002
  region net NetQ3_3: 24.435,19.863 24.987,19.863 26.032,18.818 26.032,17.624 22.327,17.624 22.327,17.755

## Silkscreen, mask and mechanical layers (free items; w line width, h text height)
Top Overlay:
  text "4#" at 3.81,15.469 h1 r315
  text "1#" at 1.016,12.471 h1 r315
  text "Button_PVT_P5" at 22.885,5.461 h1.2 r45
  text "20180706" at 23.52,4.775 h1.2 r45
Mechanical 1:
  circle w0.013: c14.322,14.322 r12.2
  circle w0.013: c14.83,14.144 r9.4
  circle w0.013: c14.322,14.322 r3.5
  lines w0.013: -238.894,-452.598 58.106,-452.598 -238.894,-452.598 ; 12.922,12.572 12.922,16.072 15.722,16.072 15.722,12.572 12.922,12.572 ; 16.872,11.872 21.772,11.872 21.772,16.772 16.872,16.772 16.872,11.872
Mechanical 2:
  lines w0.013: -2.284,14.322 14.322,14.322 ; 14.322,-2.985 14.322,14.322 ; 14.322,32.86 14.322,14.322 ; 31.001,14.322 14.322,14.322
Mechanical 3:
  circle w0.013: c14.322,14.322 r12.5
  lines w0.013: 1.877,12.625 12.484,2.019 13.898,3.433 3.291,14.039 1.877,12.625 ; 14.605,25.353 16.019,26.767 26.626,16.161 25.212,14.746 14.605,25.353